# Altium PCB PCB.PcbDoc (part 1 of 4)
Units mm, origin at the board's own origin, x right, y up, seen from the top; angles counter-clockwise.
Board outline 90.6 x 67.8 mm, 6 copper layers (Component Side, GND, Inner Layer 1, V+, V-, Bottom Side), stack 1.613 mm thick; 407 components, 232 nets, 1320 pads, 392 vias.
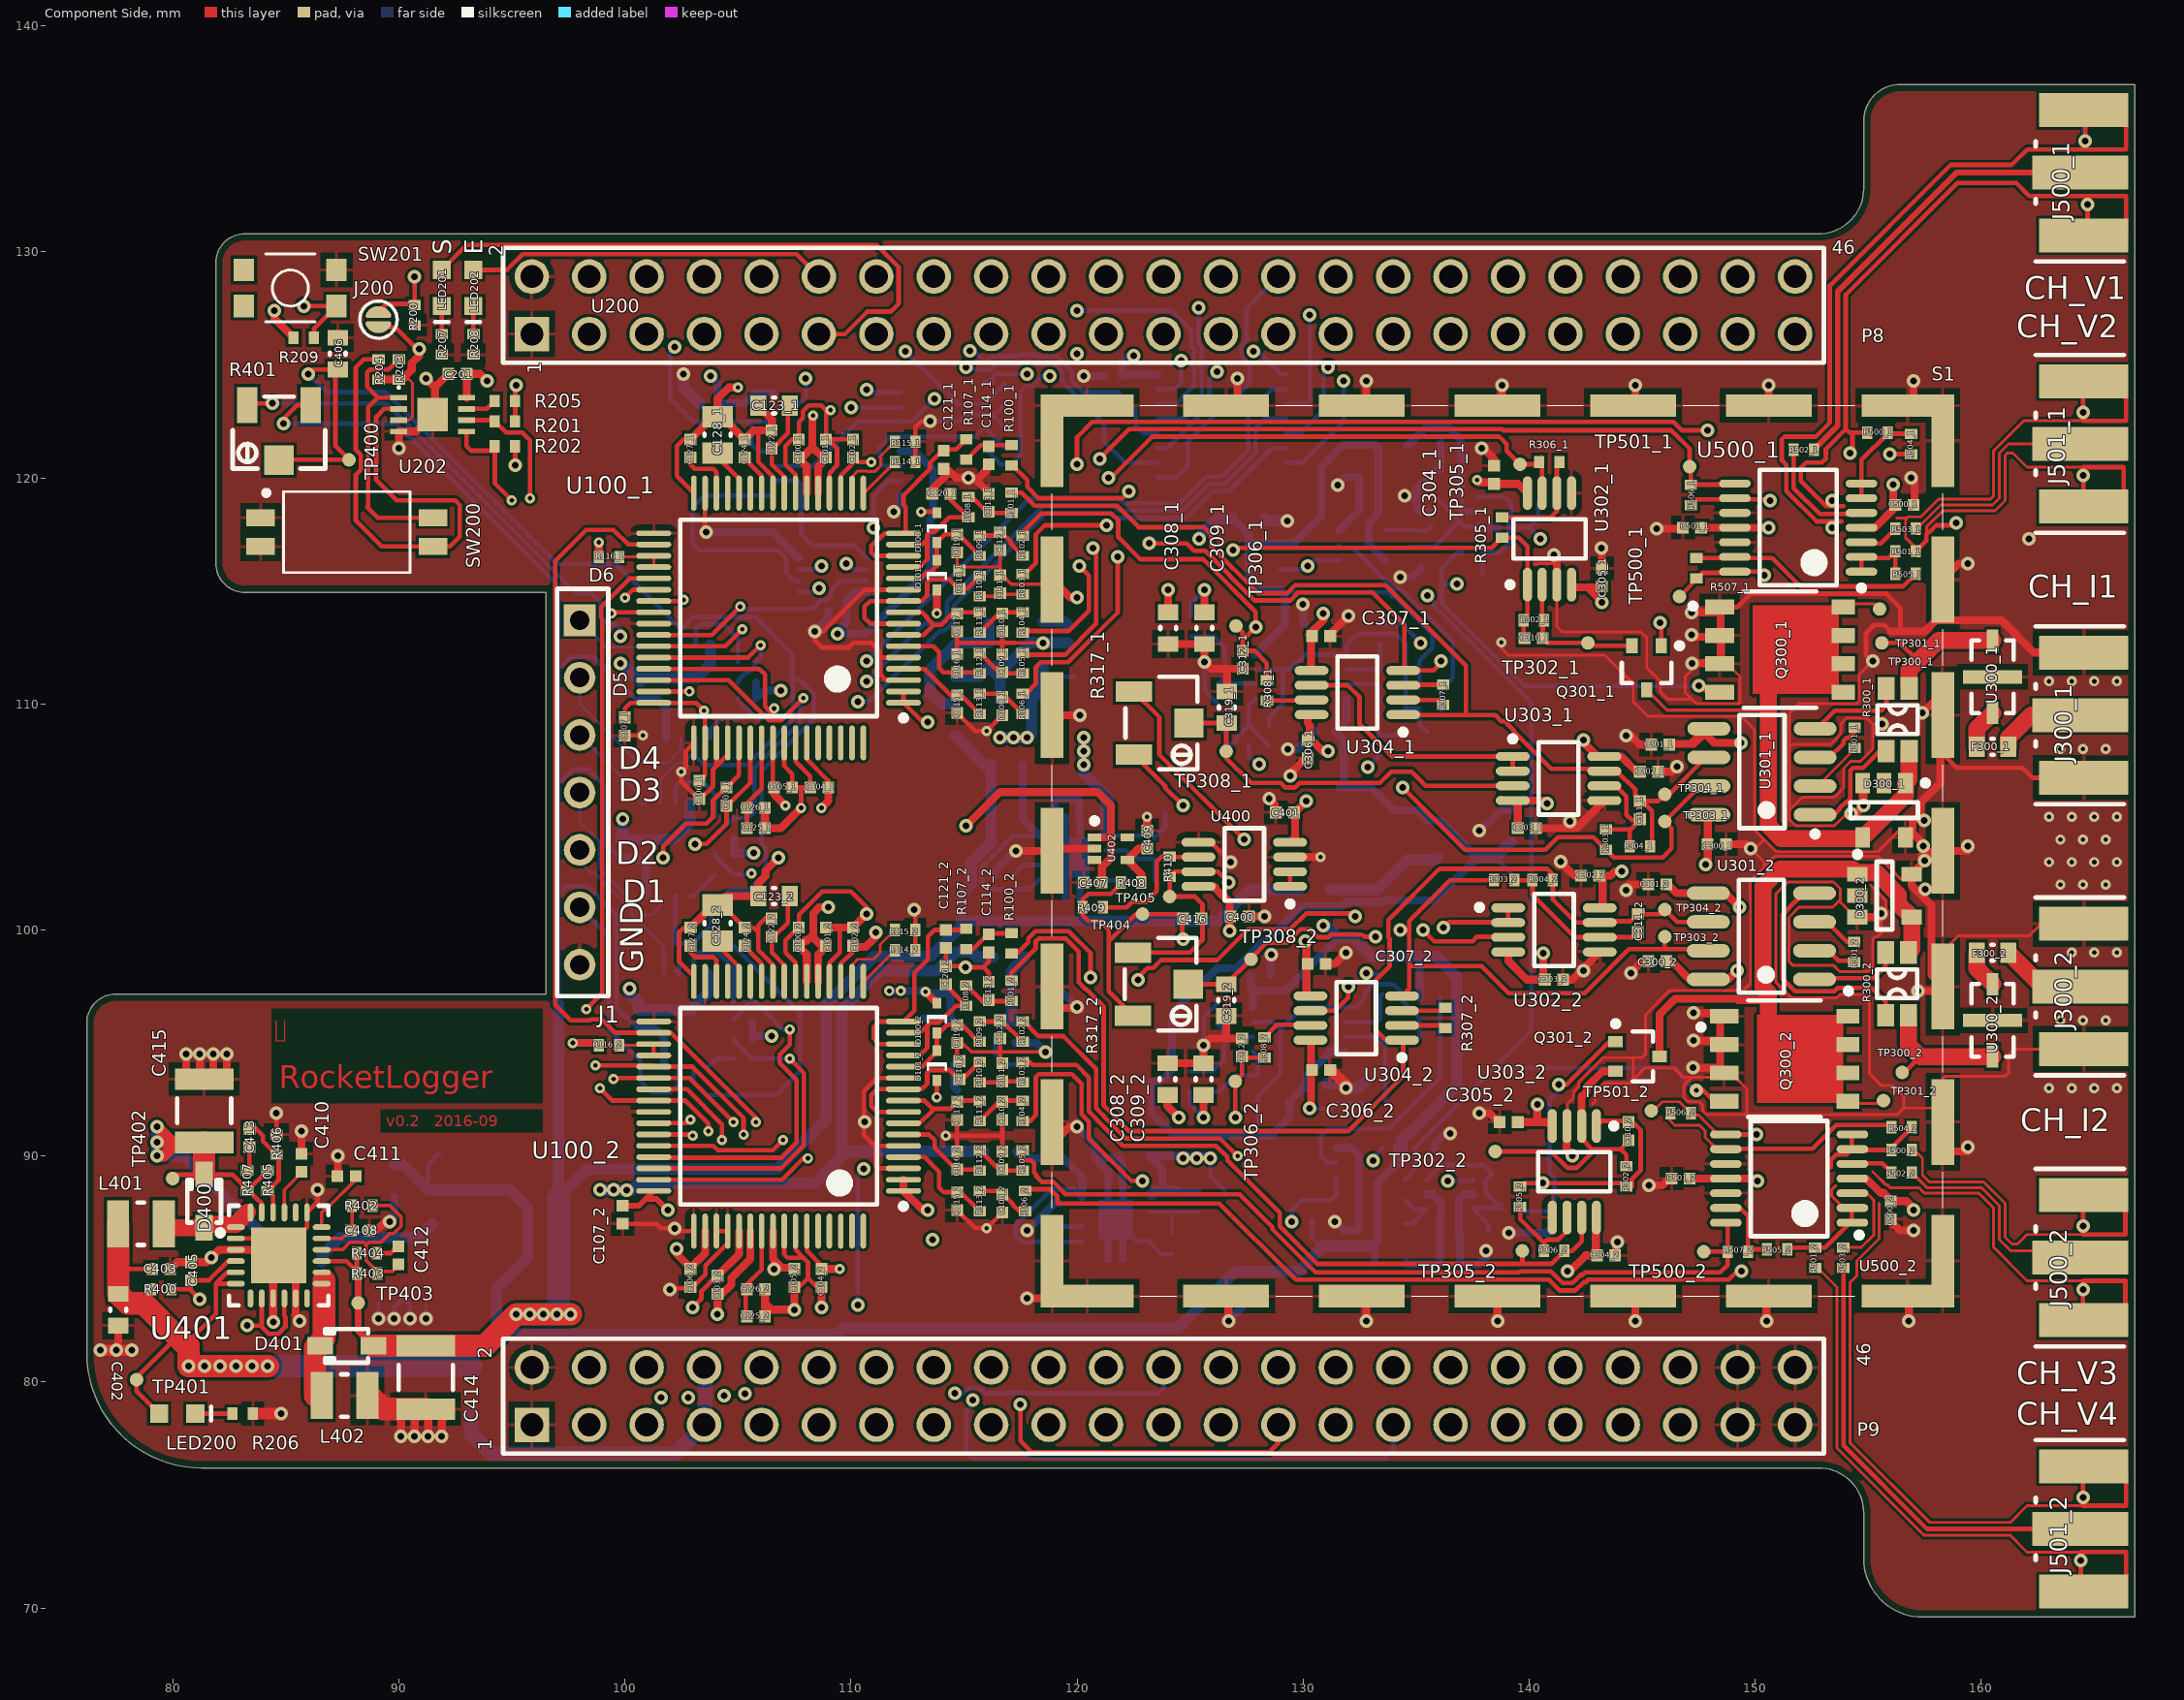
[diagram p0: Component Side view]
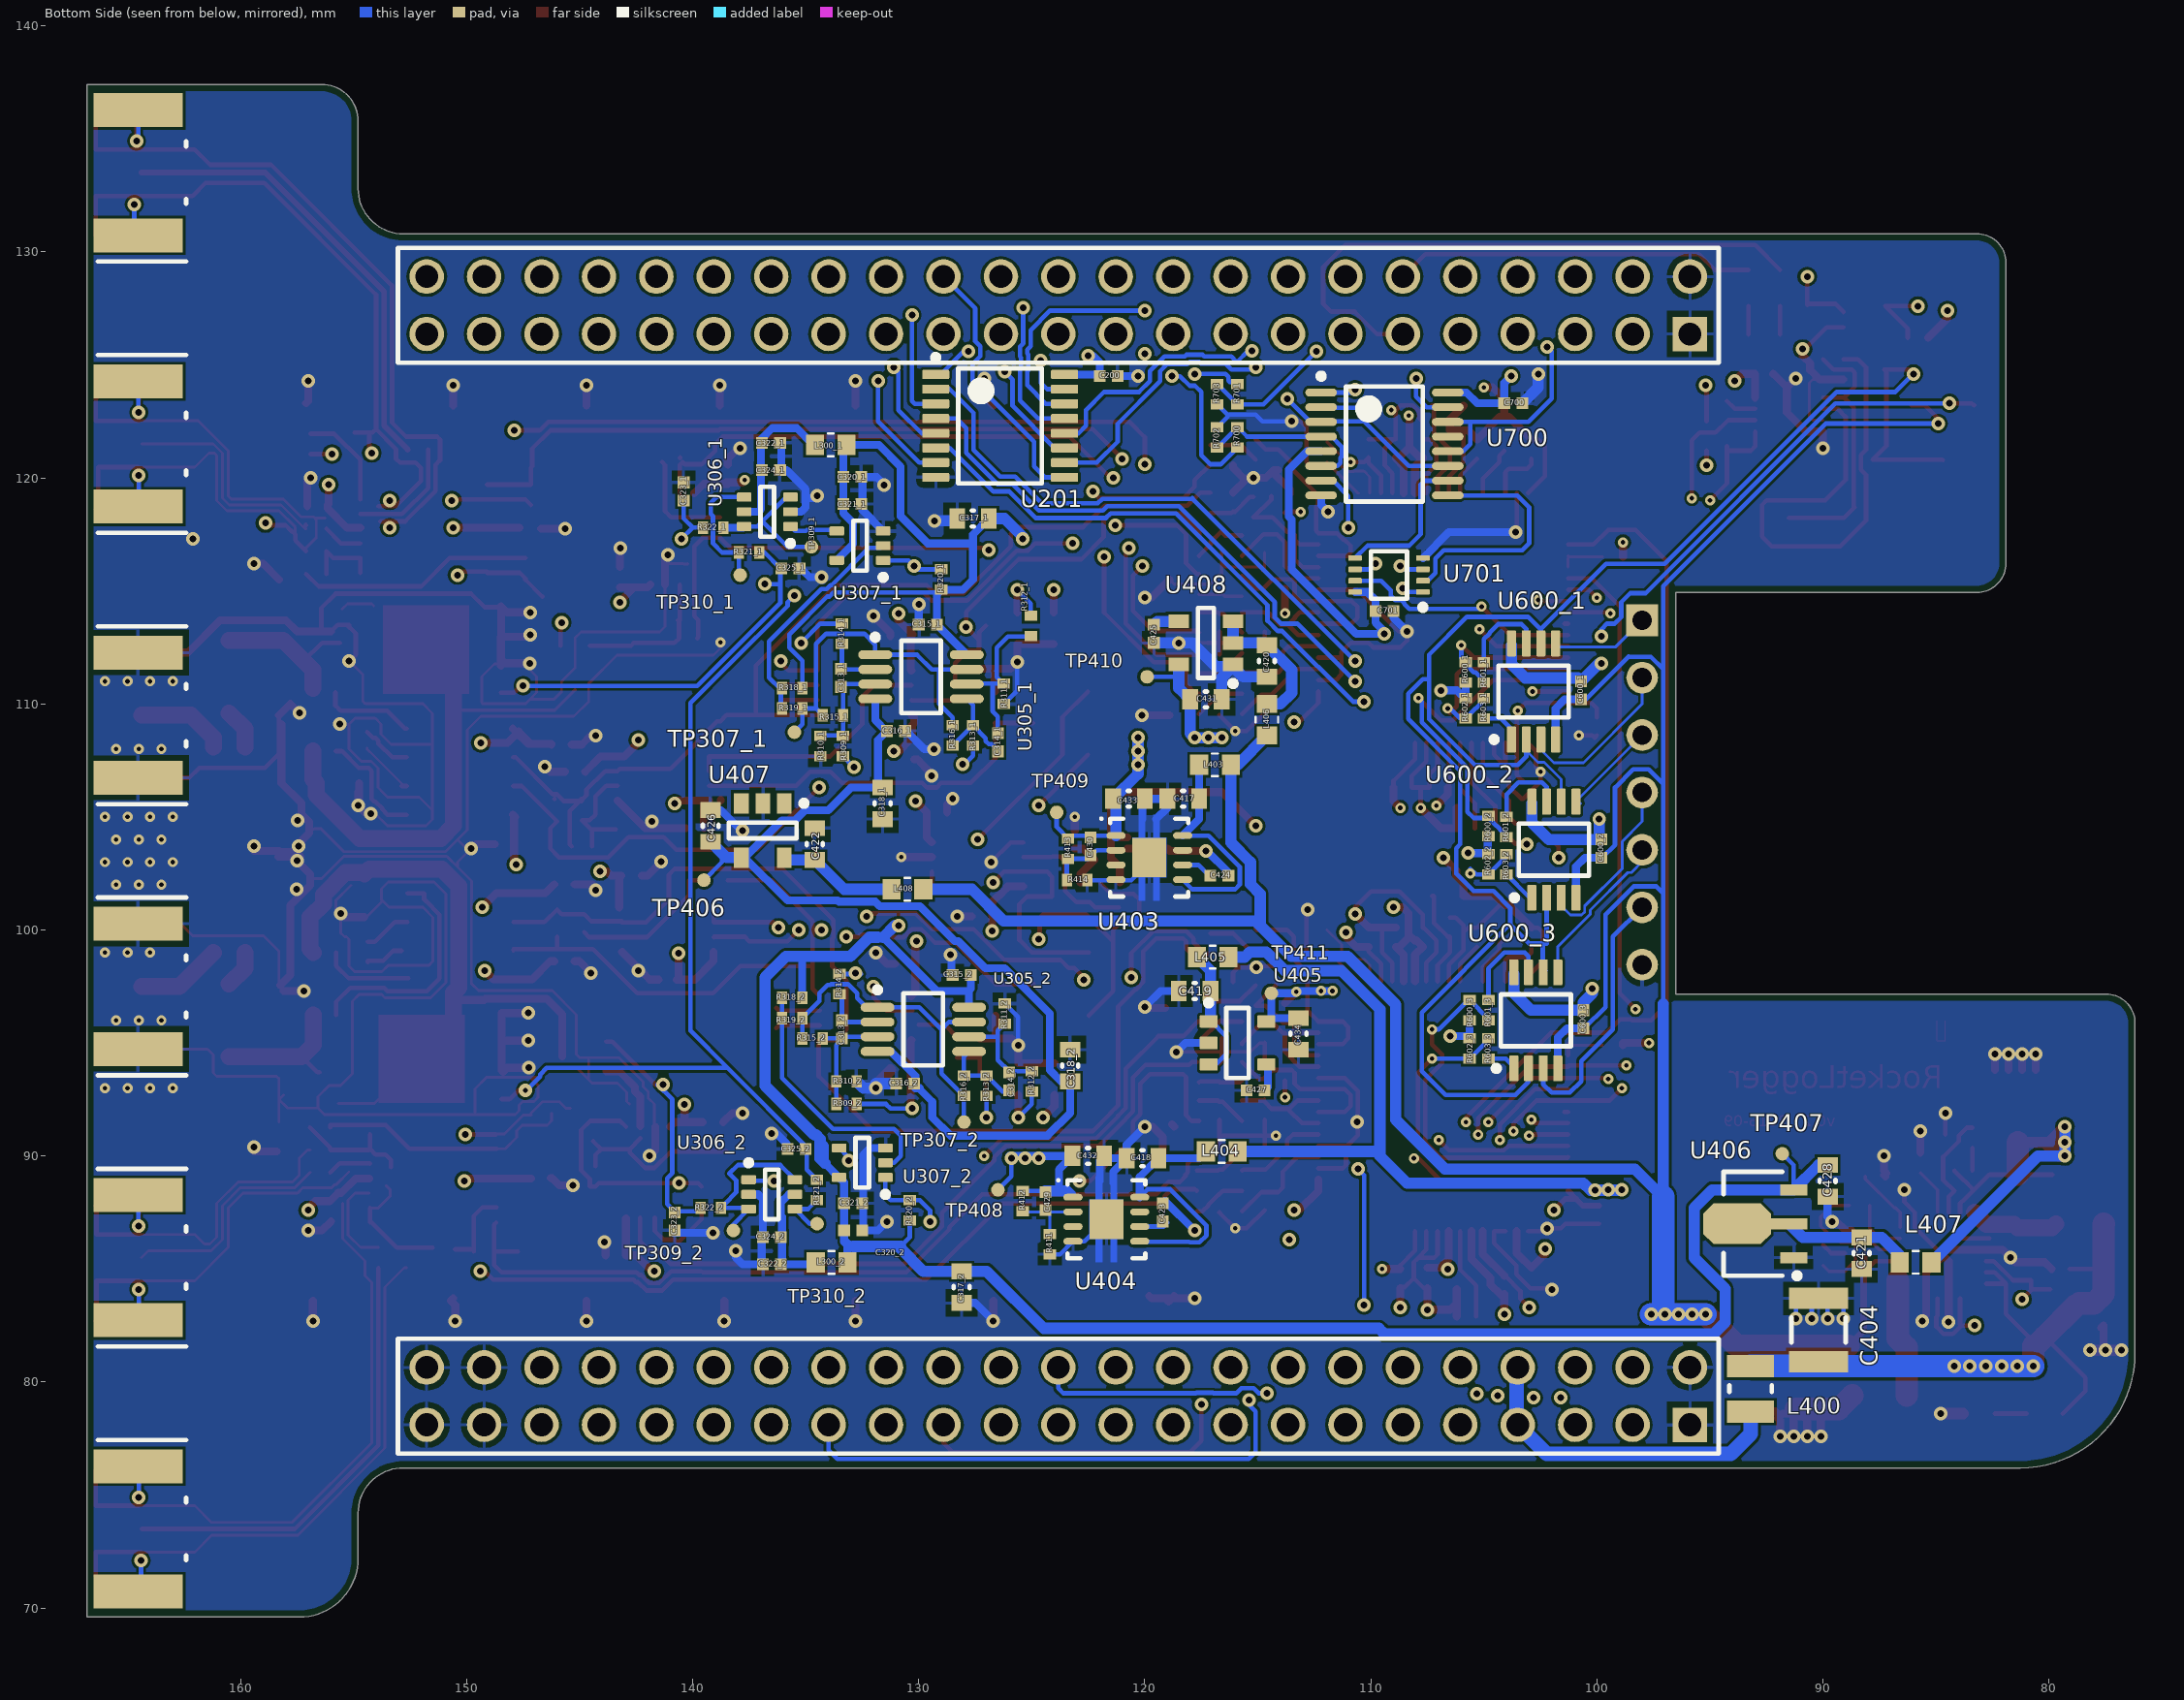
[diagram p1: Bottom Side view, seen from below]
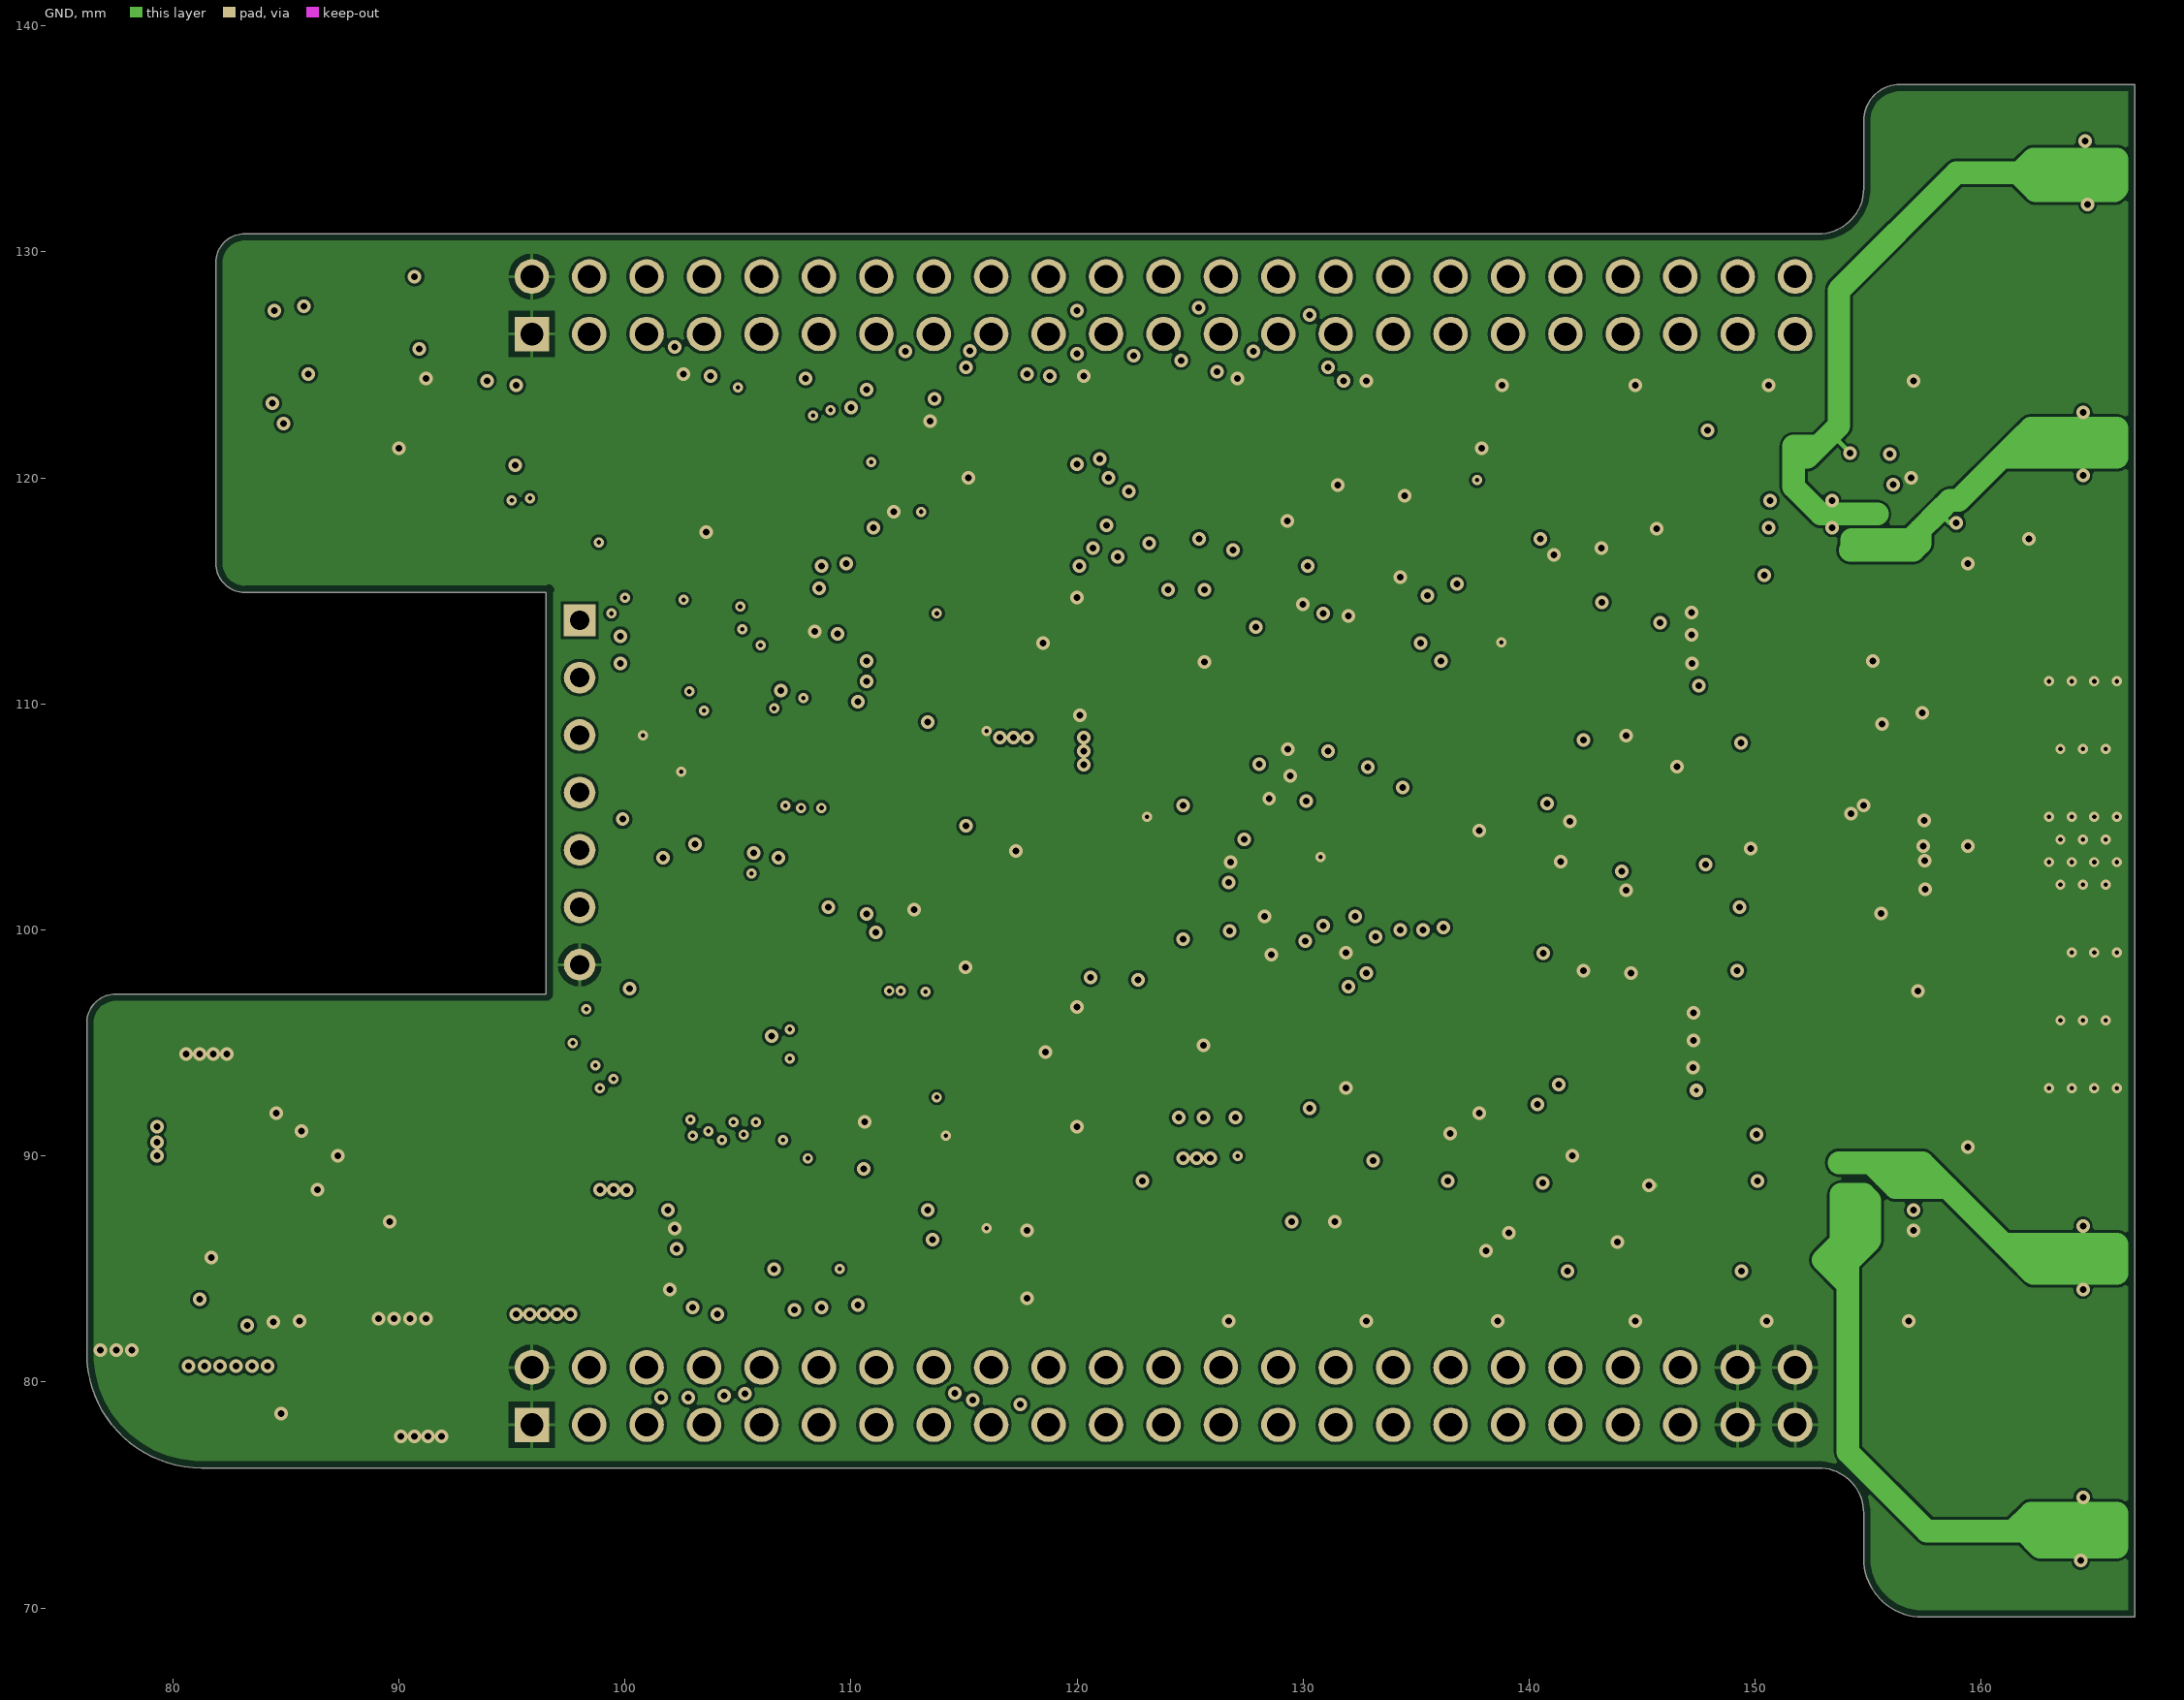
[diagram p2: GND]
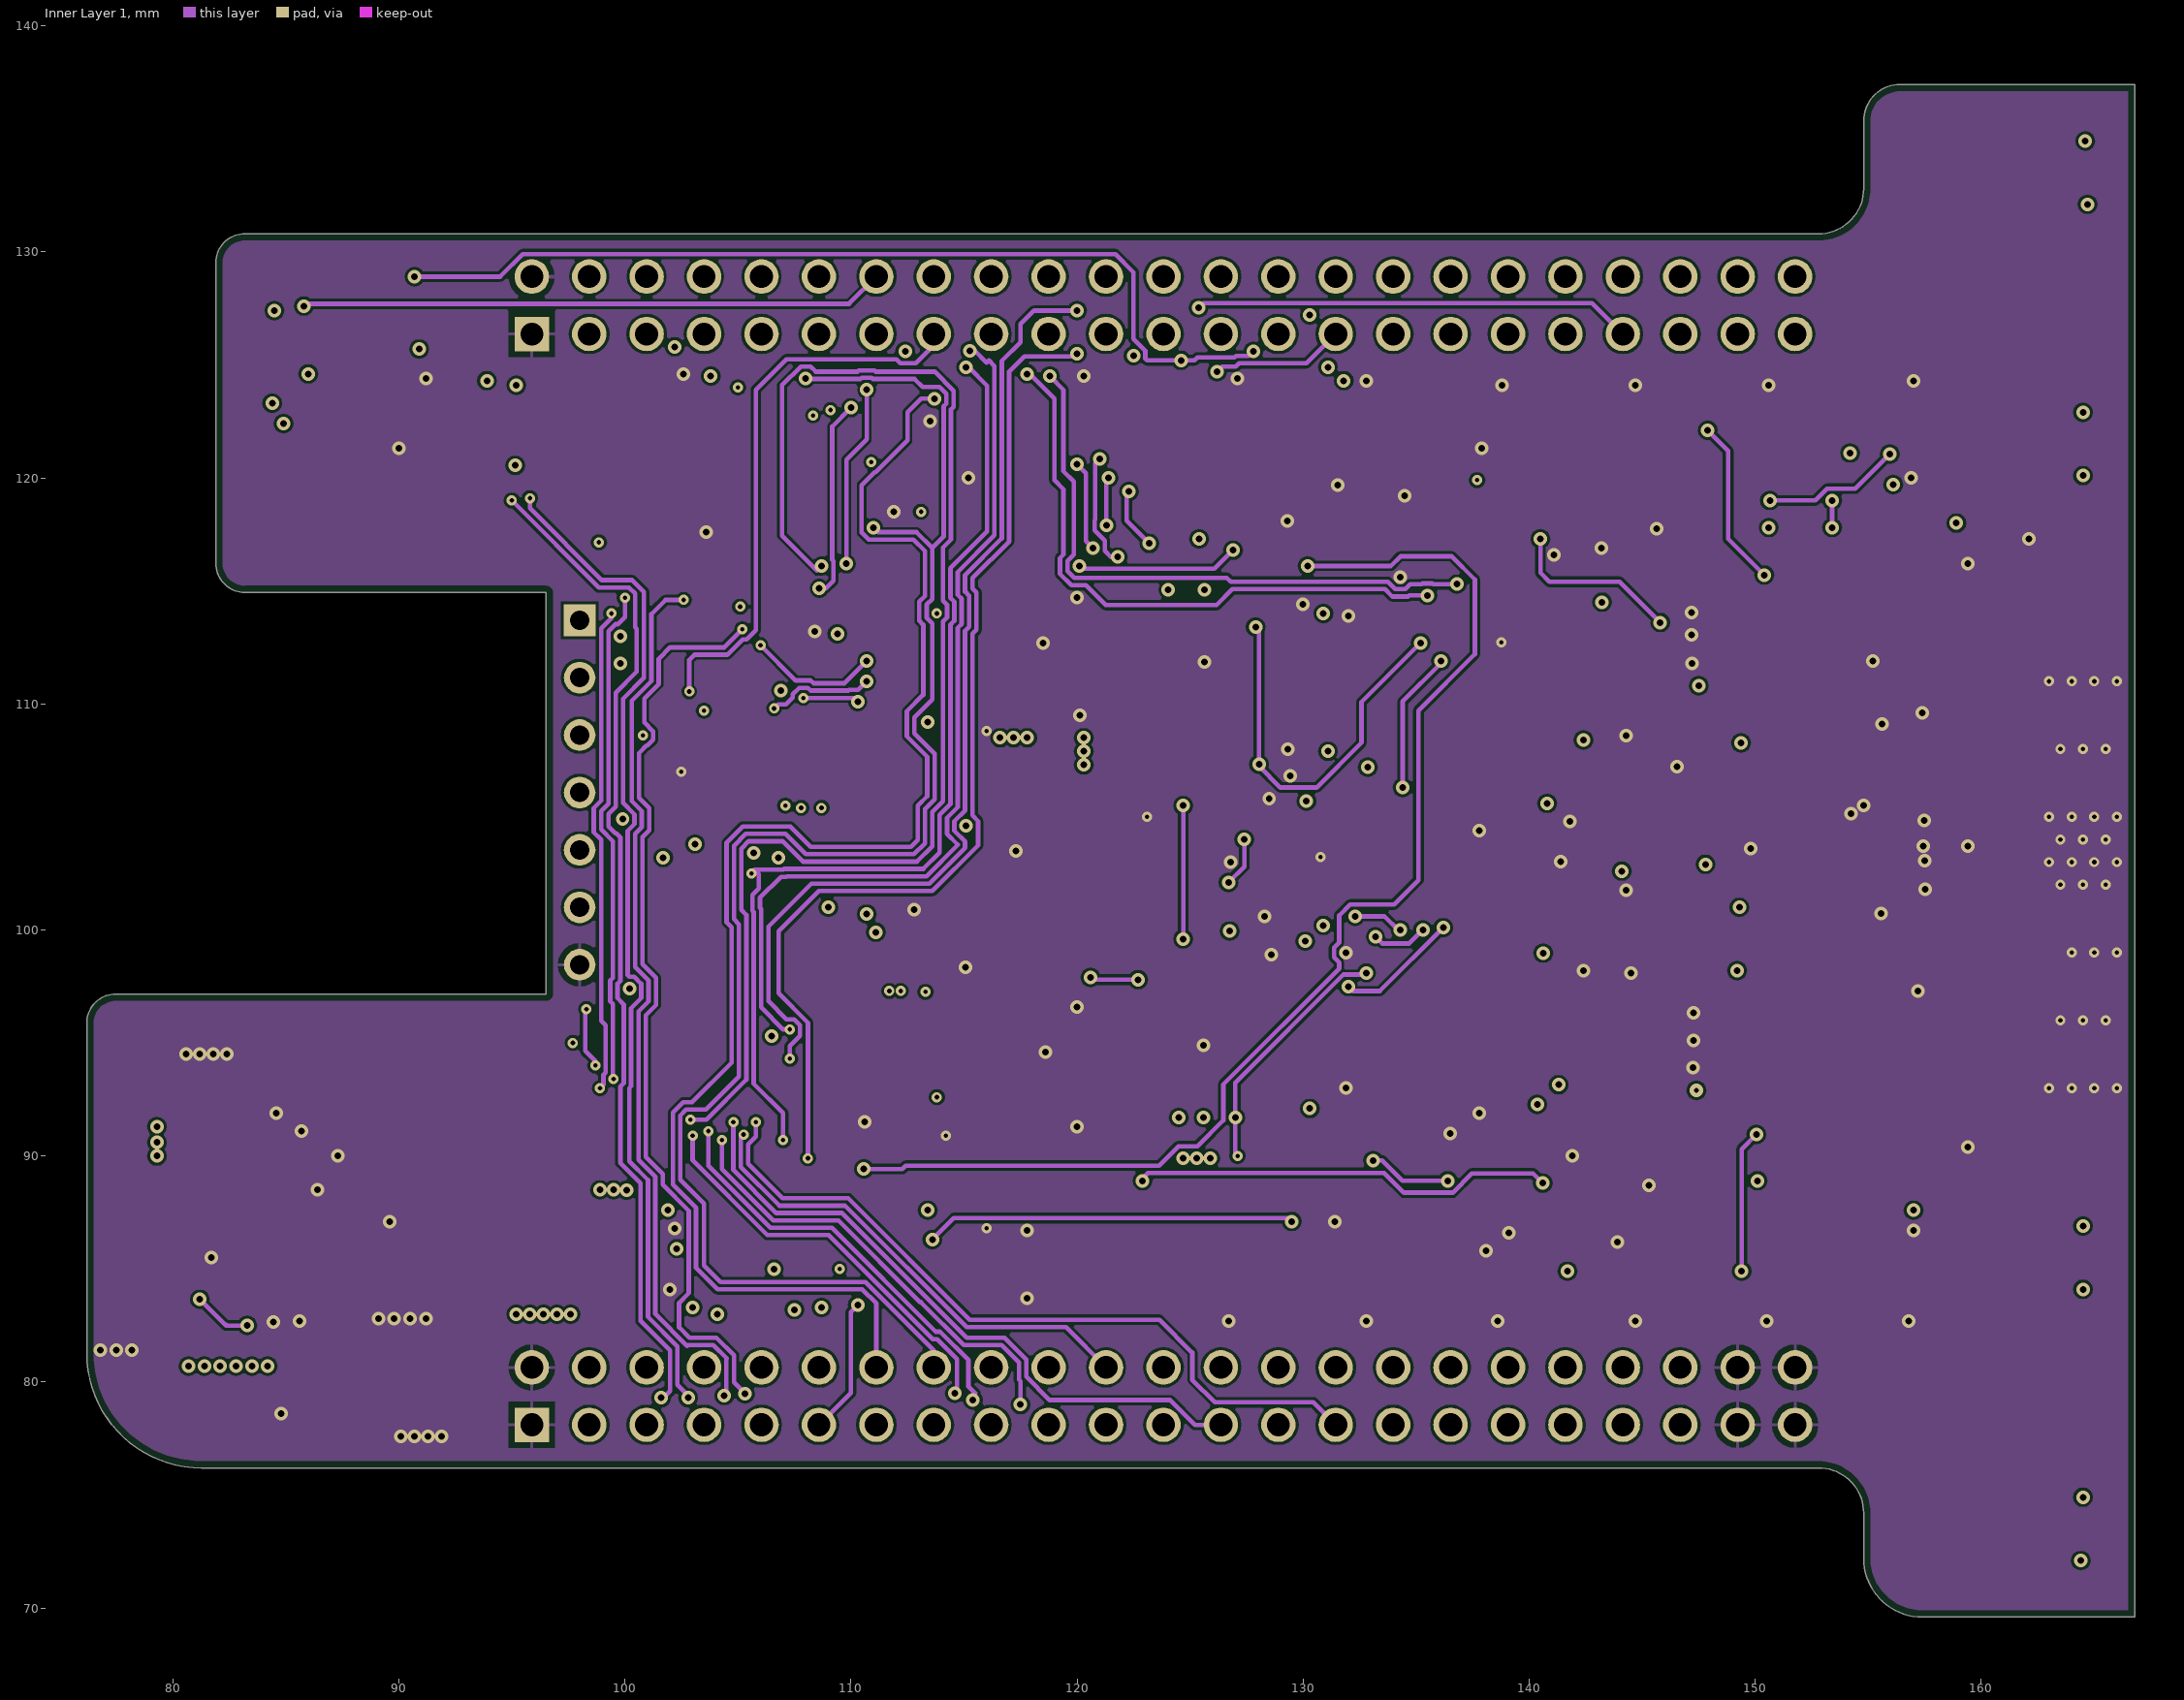
[diagram p3: Inner Layer 1]